# EAGLE board ControlModule-pan2 (EAGLE 7.2.0), part 5 of 9
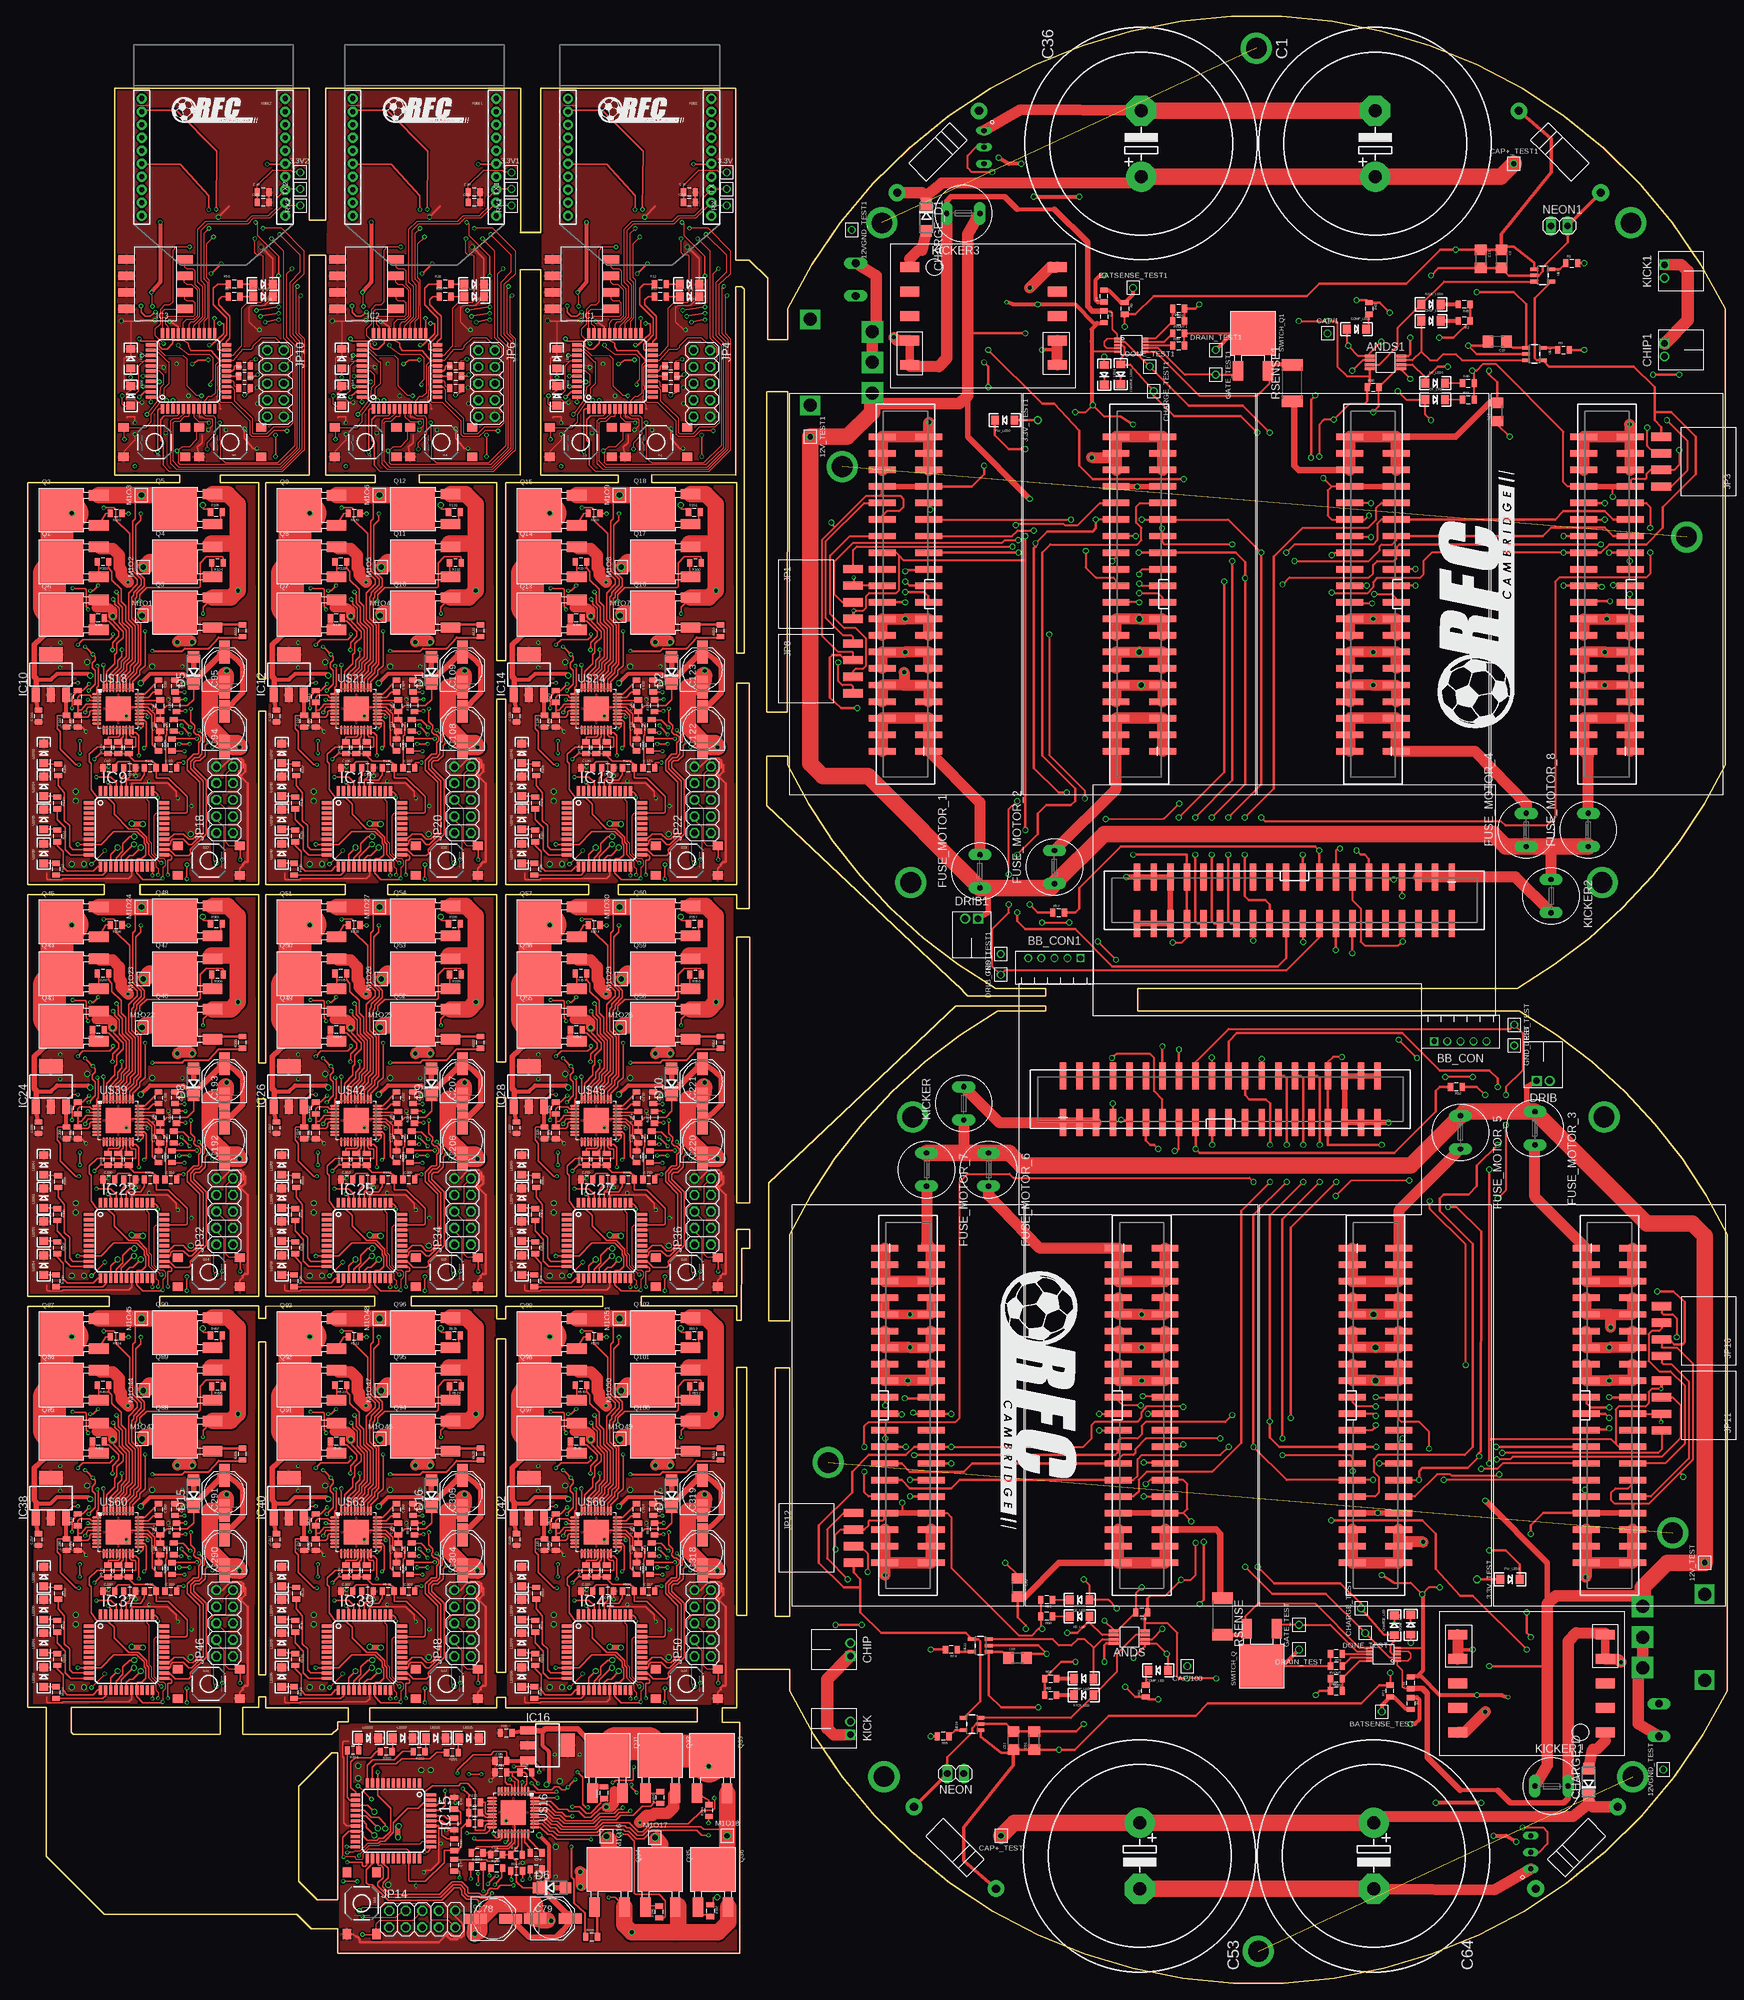
[diagram p0: board, top side]
## Tracks (layer width: path | path; a pad name or v marks a point on that pad's centre or on a via) (continued)
ENABLE14  (via drill 0.3) (continued)
  Top 0.254: IC37.26 21.63,49.2 22.43,50.01 23.86,50.01 24.65,49.22 25.28,49.2 26.4,50.33 26.4,57.95 24.5,59.85 24.5,61.28 25.45,62.23 26.08,62.23 26.24,62.39 26.24,64.02 26.57,64.34 26.57,64.88 26.17,65.27 25.86,65.27 25.47,65.67 25.47,66.01 25.58,66.12 25.58,66.71 25.56,66.71 25.03,67.24 v25.02,69.22 | v24.19,70.65 22.64,70.65 R512.2
  Bottom 0.254: v25.02,69.22 24.19,70.06 v24.19,70.65
ENABLE15  (via drill 0.3)
  Top 0.254: IC39.26 58.14,49.2 58.94,50.01 60.37,50.01 61.17,49.22 61.79,49.2 62.91,50.33 62.91,57.95 61.01,59.85 61.01,61.28 61.96,62.23 62.6,62.23 62.75,62.39 62.75,64.02 63.08,64.34 63.08,64.88 62.68,65.27 62.38,65.27 61.98,65.67 61.98,66.01 62.09,66.12 62.09,66.71 62.07,66.71 61.54,67.24 v61.54,69.22 | v60.71,70.65 59.16,70.65 R540.2
  Bottom 0.254: v61.54,69.22 60.71,70.06 v60.71,70.65
ENABLE16  (via drill 0.3)
  Top 0.254: IC41.26 94.97,49.2 95.77,50.01 97.2,50.01 98,49.22 98.62,49.2 99.74,50.33 99.74,57.95 97.84,59.85 97.84,61.28 98.79,62.23 99.43,62.23 99.58,62.39 99.58,64.02 99.91,64.34 99.91,64.88 99.51,65.27 99.21,65.27 98.81,65.67 98.81,66.01 98.92,66.12 98.92,66.71 98.9,66.71 98.37,67.24 v98.37,69.22 | v97.54,70.65 95.99,70.65 R568.2
  Bottom 0.254: v98.37,69.22 97.54,70.06 v97.54,70.65
GLED1  (via drill 0.41 pad 0.25)
  Top 0.254: v82.93,249.8 84.25,249.8 IC1.36
  Bottom 0.254: R10.2 82.61,247.42 82.93,247.74 v82.93,249.8
GLED2
  Top 0.254: IC1.21 95.85,250.59 94.68,250.59 94.52,250.75 94.52,251.55 95.15,252.18 95.95,252.97 95.95,255.51 95.15,256.31 93.88,257.58 93.88,260.12 94.52,260.75 R12.2
GLED3  (via drill 0.41 pad 0.25)
  Top 0.254: v49.91,249.8 51.23,249.8 IC2.36
  Bottom 0.254: R26.2 49.59,247.42 49.91,247.74 v49.91,249.8
GLED4
  Top 0.254: IC2.21 62.83,250.59 61.66,250.59 61.5,250.75 61.5,251.55 62.13,252.18 62.93,252.97 62.93,255.51 62.13,256.31 60.86,257.58 60.86,260.12 61.5,260.75 R28.2
GLED5  (via drill 0.41 pad 0.25)
  Top 0.254: v17.52,249.8 18.85,249.8 IC3.36
  Bottom 0.254: R54.2 17.21,247.42 17.52,247.74 v17.52,249.8
GLED6
  Top 0.254: IC3.21 30.44,250.59 29.27,250.59 29.11,250.75 29.11,251.55 29.75,252.18 30.54,252.97 30.54,255.51 29.75,256.31 28.48,257.58 28.48,260.12 29.11,260.75 R56.2
GLED17
  Top 0.254: R109.2 4.65,183.84 5.6,182.72 5.6,178.44 6.4,177.64 6.4,174.47 6.9,173.97 IC9.10
GLED18
  Top 0.254: R110.2 4.49,178.6 5.76,177.33 5.76,173.99 6.59,173.17 IC9.11
  Top 0.406: R110.2 4.49,180.34
GLED19
  Top 0.254: IC9.12 10.69,171.37 10.05,170.66 6.08,170.66 5.45,171.29 5.45,173.68 4.49,174.63 R111.2
GLED20
  Top 0.254: R112.2 11.53,170.08 11.95,170.5 11.95,170.55 IC9.13
GLED21
  Top 0.254: R137.2 41.16,183.84 42.12,182.72 42.12,178.44 42.91,177.64 42.91,174.47 43.41,173.97 IC11.10
GLED22
  Top 0.254: R138.2 41.01,178.6 42.28,177.33 42.28,173.99 43.1,173.17 IC11.11
  Top 0.406: R138.2 41.01,180.34
GLED23
  Top 0.254: IC11.12 47.2,171.37 46.56,170.66 42.59,170.66 41.96,171.29 41.96,173.68 41.01,174.63 R139.2
GLED24
  Top 0.254: R140.2 48.04,170.08 48.47,170.5 48.47,170.55 IC11.13
GLED25
  Top 0.254: R165.2 77.99,183.84 78.95,182.72 78.95,178.44 79.74,177.64 79.74,174.47 80.24,173.97 IC13.10
GLED26
  Top 0.254: R166.2 77.84,178.6 79.11,177.33 79.11,173.99 79.93,173.17 IC13.11
  Top 0.406: R166.2 77.84,180.34
GLED27
  Top 0.254: IC13.12 84.03,171.37 83.39,170.66 79.42,170.66 78.79,171.29 78.79,173.68 77.84,174.63 R167.2
GLED28
  Top 0.254: R168.2 84.87,170.08 85.3,170.5 85.3,170.55 IC13.13
GLED29
  Top 0.254: R201.2 62.75,35.4 61.64,34.45 57.35,34.45 56.56,33.66 53.38,33.66 52.88,33.16 IC15.10
GLED30
  Top 0.254: R202.2 57.51,35.56 56.24,34.29 52.9,34.29 52.08,33.47 IC15.11
  Top 0.406: R202.2 59.25,35.56
GLED31
  Top 0.254: IC15.12 50.28,29.37 49.57,30.01 49.57,33.98 50.21,34.61 52.59,34.61 53.54,35.56 R203.2
GLED32
  Top 0.254: R204.2 48.99,28.53 49.41,28.1 49.46,28.1 IC15.13
GLED45
  Top 0.254: R305.2 4.65,120.65 5.6,119.54 5.6,115.26 6.4,114.46 6.4,111.29 6.9,110.79 IC23.10
GLED46
  Top 0.254: R306.2 4.49,115.41 5.76,114.14 5.76,110.81 6.59,109.99 IC23.11
  Top 0.406: R306.2 4.49,117.16
GLED47
  Top 0.254: IC23.12 10.69,108.19 10.05,107.48 6.08,107.48 5.45,108.11 5.45,110.49 4.49,111.45 R307.2
GLED48
  Top 0.254: R308.2 11.53,106.89 11.95,107.32 11.95,107.37 IC23.13
GLED49
  Top 0.254: R333.2 41.16,120.65 42.12,119.54 42.12,115.26 42.91,114.46 42.91,111.29 43.41,110.79 IC25.10
GLED50
  Top 0.254: R334.2 41.01,115.41 42.28,114.14 42.28,110.81 43.1,109.99 IC25.11
  Top 0.406: R334.2 41.01,117.16
GLED51
  Top 0.254: IC25.12 47.2,108.19 46.56,107.48 42.59,107.48 41.96,108.11 41.96,110.49 41.01,111.45 R335.2
GLED52
  Top 0.254: R336.2 48.04,106.89 48.47,107.32 48.47,107.37 IC25.13
GLED53
  Top 0.254: R361.2 77.99,120.65 78.95,119.54 78.95,115.26 79.74,114.46 79.74,111.29 80.24,110.79 IC27.10
GLED54
  Top 0.254: R362.2 77.84,115.41 79.11,114.14 79.11,110.81 79.93,109.99 IC27.11
  Top 0.406: R362.2 77.84,117.16
GLED55
  Top 0.254: IC27.12 84.03,108.19 83.39,107.48 79.42,107.48 78.79,108.11 78.79,110.49 77.84,111.45 R363.2
GLED56
  Top 0.254: R364.2 84.87,106.89 85.3,107.32 85.3,107.37 IC27.13
GLED73
  Top 0.254: R501.2 4.65,57.47 5.6,56.36 5.6,52.07 6.4,51.28 6.4,48.1 6.9,47.6 IC37.10
GLED74
  Top 0.254: R502.2 4.49,52.23 5.76,50.96 5.76,47.63 6.59,46.8 IC37.11
  Top 0.406: R502.2 4.49,53.98
GLED75
  Top 0.254: IC37.12 10.69,45 10.05,44.29 6.08,44.29 5.45,44.93 5.45,47.31 4.49,48.26 R503.2
GLED76
  Top 0.254: R504.2 11.53,43.71 11.95,44.14 11.95,44.18 IC37.13
GLED77
  Top 0.254: R529.2 41.16,57.47 42.12,56.36 42.12,52.07 42.91,51.28 42.91,48.1 43.41,47.6 IC39.10
GLED78
  Top 0.254: R530.2 41.01,52.23 42.28,50.96 42.28,47.63 43.1,46.8 IC39.11
  Top 0.406: R530.2 41.01,53.98
GLED79
  Top 0.254: IC39.12 47.2,45 46.56,44.29 42.59,44.29 41.96,44.93 41.96,47.31 41.01,48.26 R531.2
GLED80
  Top 0.254: R532.2 48.04,43.71 48.47,44.14 48.47,44.18 IC39.13
GLED81
  Top 0.254: R557.2 77.99,57.47 78.95,56.36 78.95,52.07 79.74,51.28 79.74,48.1 80.24,47.6 IC41.10
GLED82
  Top 0.254: R558.2 77.84,52.23 79.11,50.96 79.11,47.63 79.93,46.8 IC41.11
  Top 0.406: R558.2 77.84,53.98
GLED83
  Top 0.254: IC41.12 84.03,45 83.39,44.29 79.42,44.29 78.79,44.93 78.79,47.31 77.84,48.26 R559.2
GLED84
  Top 0.254: R560.2 84.87,43.71 85.3,44.14 85.3,44.18 IC41.13
GND  (via drill 0.38, 0.41, 0.58, 0.6)
  Top 0: C4.2 177.51,255.15 177.51,257.01
  Top 0.178: 151.16,257.64 151.13,257.64
  Top 0.305: RBG1.1 C4.2 | 164.12,254.73 164.76,254.73 165.13,255.1 C3.2 165.13,254.78 | 163.22,251.93 163.23,250.66 | 163.23,250.66 163.24,250.41 CHARGE_U1.P$5 | v126.71,215.73 126.71,214.54 JP1.2 MOTOR5.22 | JP8.2 126.63,204.22 126.55,204.3 124.33,204.3 121.87,206.76 121.87,221.53 123.81,223.47 | 123.81,223.47 128.62,228.27 130.68,228.27 | 130.68,228.27 131,228.59 131,229.62 MOTOR5.34 | 130.68,228.27 133.85,228.27 134.33,227.8 134.33,226.53 133.7,225.89 131.79,225.89 131.16,225.26 131.16,224.7 MOTOR5.30 | v253.39,235.26 253.39,233.04 252.6,232.24 JP3.2 248.95,232.24 248.31,231.61 248.31,230.97 248.15,230.81 246.09,230.81 245.93,230.65 245.93,229.78 MOTOR8.33 | v175.69,159.69 177.03,159.69 177.83,160.49 COM_BOARD1.34 | v123.3,224.15 123.3,223.99 123.81,223.47 | v162.31,219.82 162.31,217.28 163.86,215.73 166.56,215.73 166.95,215.34 MOTOR6.22 | 163.22,250.65 163.23,250.66 | v160.68,241.13 162.35,241.13 v163.38,242.16 | v150.17,257.97 150.19,257.97 151.16,257.64 | 164.02,254.78 164.02,254.63 | 163.22,242.32 v163.38,242.16 | 167.67,240.39 165.16,240.39 v163.38,242.16 | MOTOR7.34 200.05,229.7 | 200.05,229.7 199.42,229.07 199.42,225.26 200.05,224.62 MOTOR7.30 205.13,224.62 v205.77,225.26 | 200.05,229.7 v198.78,230.97 | R41.2 R40.2 221.91,247.22 v221.64,247.48 222.28,247.48 223.31,248.51 225.22,248.51 235.61,238.12 235.61,230.34 236.25,229.7 MOTOR8.34 | v243.15,228.11 243.15,229.31 242.76,229.7 | MOTOR8.30 v241.96,224.62 | v205.45,214.46 MOTOR7.22 | MOTOR6.30 v163.86,224.62
  Top 0.406: RBG1.1 177.51,257.01 179.1,257.01 v179.73,257.64 | v203.86,258.28 205.4,258.28 R42.1 207.41,257.91 v208.94,256.37 | v212.12,252.56 212.12,250.02 211.82,249.73 ANDS1.P$4 | R45.1 R2.1 218.73,252.56 v216.56,252.56 | COM_BOARD1.34 COM_BOARD1.33 177.83,173.19 v169.57,173.19 | 167.67,240.39 v169.57,239.23 | R7.1 165.08,257.96 | v159.41,182.71 158.14,182.71 154.33,186.52 154.36,220.25 154.61,220.51 v154.61,220.99 156.39,222.77 163.37,222.77 163.86,223.27 v163.86,224.62 | v146.71,248.75 147.35,248.12 v147.35,244.94 | v127.28,195.7 124.84,195.7 123.06,197.32 123.06,203.44 123.41,203.79 124.68,203.79 125.38,203.03 JP8.2 | v241.49,214.3 241.33,214.46 MOTOR8.22 v235.61,214.46 | v146.71,232.88 146.71,231.61 144.81,229.7 MOTOR5.33
  Top 0.61: 164.12,254.73 164.02,254.63 163.22,253.83 163.22,251.93 163.22,242.32 | 165.08,257.96 164.18,257.96 163.86,258.28 163.86,261.45 164.49,262.09 v165.13,262.09 | 165.13,254.78 164.02,254.78 163.54,254.78 160.68,257.64 v154.97,257.64 151.16,257.64 | 151.13,257.64 v150.17,257.97
  Top 0.813: MOTOR5.34 MOTOR5.33 | MOTOR6.34 v170.21,229.7 MOTOR6.33 | MOTOR7.33 MOTOR7.34 | MOTOR8.34 242.76,229.7 MOTOR8.33
  Bottom 0.254: CAP_COMP1.2 201.32,246.85 209.58,255.1
  Bottom 0.305: v221.64,247.48 v216.56,252.56 | 149.89,242.4 159.41,242.4 v160.68,241.13 | v162.31,219.82 161.37,219.82 160.2,220.99 v154.61,220.99 | v126.71,215.73 126.12,216 U$12.5 119.77,216 118.77,217 118.77,223.03 122.19,223.03 v123.3,224.15 | U$13.5 253.5,235.15 v253.39,235.26 | C12.2 153.06,157.76 | 153.06,157.76 BB_CON1.5 154.78,156.04 156.87,156.04 157.51,156.68 BB_CON1.3 157.51,159.22 158.78,160.49 161.95,160.49 163.86,158.58 174.65,158.58 v175.69,159.69 | 153.06,157.76 149.44,157.76 GND_TEST1.P$1 | v163.38,242.16 165.1,242.16 R4.2 R3.2 | v198.78,230.97 195.61,234.15 195.61,235.42 196.24,236.05 200.69,236.05 201.32,236.69 CAP_COMP1.2 | v243.15,228.11 243.23,228.04 243.23,225.89 v241.96,224.62 241.96,222.08 243.87,220.18 243.87,218.91 241.33,216.37 241.33,214.46 v241.49,214.3 | v205.77,225.26 205.13,224.62 205.13,214.46 v205.45,214.46 | v150.17,257.97 150.17,259.51 U$29.2
  Bottom 0.406: v179.73,257.64 179.73,260.67 BATCLAMP1.A 179.73,260.82 | C35.2 202.33,258.28 v203.86,258.28 | v208.94,256.37 208.94,255.74 209.58,255.1 v212.12,252.56 v216.56,252.56 | v169.57,239.23 170.21,238.59 v170.21,229.7 170.21,225.26 169.57,224.62 v163.86,224.62 | v169.57,173.19 v159.41,182.71 | U$10.2 143.36,252.1 v146.71,248.75 | v147.35,244.94 149.89,242.4 150.52,241.77 R16.1 150.5,235.66 149.49,235.66 v146.71,232.88 | U$27.5 127.3,195.68 v127.28,195.7 | U$14.5 243.66,209.75 241.49,211.92 v241.49,214.3 | JP7.2 243.23,194.78 238.79,199.22 238.79,211.29 v235.61,214.46
  Bottom 0.61: BATCLAMP1.A 191.43,260.82 C2.2 193.44,259.81 | 193.44,259.81 196.24,257.01 CAP_SENSE_BUF1.2 197.51,257.01 198.15,257.64 198.15,258.28 198.78,258.91 200.95,258.91 C35.2 | 193.44,259.81 194.19,260.57 CLAMP4.A | v154.97,257.64 160.68,257.64 v165.13,262.09 166.4,263.36 177.19,263.36 179.73,260.82
GND1  (via drill 0.38, 0.38 pad 0.25, 0.41, 0.41 pad 0.25, 0.5)
  Top 0.152: 82.29,288.23 84.04,288.23
  Top 0.178: IC1.38 86.1,248.3 | IC1.18 94.68,248.22 94.52,248.05 94.52,245.14 94.61,245.04 94.61,244.64 94.51,244.54 94.51,243.6 94.36,243.45 94.36,242.81 94.83,242.34 94.83,241.7 | 81.18,244.56 80.53,243.93 80.53,242.98 80.54,242.96 81.98,242.96 82.29,242.66 | v79.73,255.1 81.18,255.04 81.18,249.4 80.15,249.4 80.15,246.14 LED1.C | S3.2 80.24,235.21 81.82,236.78 v81.82,237.7 | IC1.8 91.67,240.42 92.15,240.42 92.61,240.12 93.56,240.12 93.8,239.88 93.8,239.1 93.09,238.38 v93.09,238.37 | LED3.C 101.64,257.49 99.71,257.49 99.33,257.1 99.33,255.02 100.6,253.75 v100.93,253.75
  Top 0.254: C14.1 C15.1 | IC1.30 88.47,254.26 v87.13,255.04 | v84.91,255.2 82.77,255.2 82.61,255.04 v79.73,255.1 | v81.82,239.48 81.82,240.43 80.71,240.43 80.55,240.27 | 86.1,248.3 v86.26,247.98 | 80.53,246.12 81.18,245.51 LED1.C 81.18,244.56 | 94.83,241.7 94.99,241.54 | v100.55,235.51 99.99,235.51 98.64,237.1 v98.64,238.53 | S1.2 91.38,235.71 92.14,236.46 92.14,237.58 | v95.79,238.37 95.79,238.05 | v82.93,242.58 82.37,242.58 82.29,242.66 | LED2.C 103,264.65 v101.18,266.47 | v94.64,271.04 96.29,272.69
  Bottom 0.178: 87.69,248.37 v88.25,248.53 | 83.25,242.97 83.25,243.45 84.67,244.24 84.67,245.35 84.98,245.83 85.01,246.13 85.26,246.37 85.58,246.41 86.1,246.39 | C16.2 80.07,249.32 80.07,252.34 81.18,252.34 81.18,255.12 | v81.82,239.48 v81.82,237.7 82.36,237.16 U$4.2
  Bottom 0.254: 100.23,245.51 100.39,245.51 100.55,245.67 v100.55,244.88 | 100.55,244.16 v100.55,244.88 | v100.55,244.88 JP2.33 | v87.13,255.04 85.31,255.04 v84.91,255.2 | v79.73,255.1 81.18,255.04 C9.2 | C18.1 81.82,240.43 v81.82,239.48 | v86.26,247.98 86.26,247.42 | 86.26,247.42 R24.1 | 86.26,247.42 86.26,246.78 86.1,246.39 | v82.93,242.58 83.25,242.97 | v98.64,238.53 99.32,238.53 100.95,236.9 103.76,236.9 104.29,237.42 104.29,240.04 JP4.10 | C8.2 96.21,233.98 96.34,233.77 98.96,233.77 99.28,234.08 99.28,234.98 C17.2 99.99,234.72 v100.55,235.51 | v93.09,238.37 v95.79,238.37 | v101.18,266.47 95.15,266.47 94.96,266.66 94.96,270.72 v94.64,271.04
  Bottom 0.61: C9.2 81.18,252.5 81.02,252.34 80.07,252.34 80.07,251.28 C22.2 C16.2
  other vias: 90.07,243.61 86.56,237.9 100.62,242.4
  pour Bottom (isolate 0.254): 78.9,231.91 108.09,232.04 108.22,290.46 79.21,290.46
  pour Top (isolate 0.254): 108.07,232.04 78.86,231.95 79.19,290.46 108.2,290.46
GND2  (via drill 0.38, 0.38 pad 0.25, 0.41, 0.41 pad 0.25, 0.5)
  Top 0.152: 49.27,288.23 51.02,288.23
  Top 0.178: IC2.38 53.08,248.3 | IC2.18 61.66,248.22 61.5,248.05 61.5,245.14 61.59,245.04 61.59,244.64 61.49,244.54 61.49,243.6 61.34,243.45 61.34,242.81 61.81,242.34 61.81,241.7 | 48.16,244.56 47.51,243.93 47.51,242.98 47.52,242.96 48.96,242.96 49.27,242.66 | v46.71,255.1 48.16,255.04 48.16,249.4 47.13,249.4 47.13,246.14 LED4.C | S2.2 47.22,235.21 48.8,236.78 v48.8,237.7 | IC2.8 58.65,240.42 59.13,240.42 59.59,240.12 60.54,240.12 60.78,239.88 60.78,239.1 60.07,238.38 v60.07,238.37 | LED6.C 68.62,257.49 66.69,257.49 66.31,257.1 66.31,255.02 67.58,253.75 v67.91,253.75
  Top 0.254: C25.1 C26.1 | IC2.30 55.45,254.26 v54.11,255.04 | v51.89,255.2 49.75,255.2 49.59,255.04 v46.71,255.1 | v48.8,239.48 48.8,240.43 47.69,240.43 47.53,240.27 | 53.08,248.3 v53.24,247.98 | 47.51,246.12 48.16,245.51 LED4.C 48.16,244.56 | 61.81,241.7 61.97,241.54 | v67.53,235.51 66.97,235.51 65.62,237.1 v65.62,238.53 | S4.2 58.36,235.71 59.12,236.46 59.12,237.58 | v62.77,238.37 62.77,238.05 | v49.91,242.58 49.35,242.58 49.27,242.66 | LED5.C 69.98,264.65 v68.16,266.47 | v61.62,271.04 63.27,272.69
  Bottom 0.178: 54.67,248.37 v55.23,248.53 | 50.23,242.97 50.23,243.45 51.65,244.24 51.65,245.35 51.96,245.83 51.99,246.13 52.24,246.37 52.56,246.41 53.08,246.39 | C27.2 47.05,249.32 47.05,252.34 48.16,252.34 48.16,255.12 | v48.8,239.48 v48.8,237.7 49.34,237.16 U$6.2
  Bottom 0.254: 67.21,245.51 67.37,245.51 67.53,245.67 v67.53,244.88 | 67.53,244.16 v67.53,244.88 | v67.53,244.88 JP5.33 | v54.11,255.04 52.29,255.04 v51.89,255.2 | v46.71,255.1 48.16,255.04 C24.2 | C29.1 48.8,240.43 v48.8,239.48 | v53.24,247.98 53.24,247.42 | 53.24,247.42 R36.1 | 53.24,247.42 53.24,246.78 53.08,246.39 | v49.91,242.58 50.23,242.97 | v65.62,238.53 66.3,238.53 67.93,236.9 70.74,236.9 71.27,237.42 71.27,240.04 JP6.10 | C23.2 63.19,233.98 63.32,233.77 65.94,233.77 66.26,234.08 66.26,234.98 C28.2 66.97,234.72 v67.53,235.51 | v60.07,238.37 v62.77,238.37 | v68.16,266.47 62.13,266.47 61.94,266.66 61.94,270.72 v61.62,271.04
  Bottom 0.61: C24.2 48.16,252.5 48,252.34 47.05,252.34 47.05,251.28 C33.2 C27.2
  other vias: 57.05,243.61 53.54,237.9 67.6,242.4
  pour Bottom (isolate 0.254): 45.88,231.91 75.07,232.04 75.2,290.46 46.19,290.46
  pour Top (isolate 0.254): 75.05,232.04 45.84,231.95 46.17,290.46 75.18,290.46
GND3  (via drill 0.38, 0.38 pad 0.25, 0.41, 0.41 pad 0.25, 0.5)
  Top 0.152: 16.89,288.23 18.63,288.23
  Top 0.178: IC3.38 20.69,248.3 | IC3.18 29.28,248.22 29.11,248.05 29.11,245.14 29.21,245.04 29.21,244.64 29.11,244.54 29.11,243.6 28.95,243.45 28.95,242.81 29.43,242.34 29.43,241.7 | 15.78,244.56 15.13,243.93 15.13,242.98 15.13,242.96 16.58,242.96 16.89,242.66 | v14.32,255.1 15.78,255.04 15.78,249.4 14.74,249.4 14.74,246.14 LED8.C | S5.2 14.84,235.21 16.41,236.78 v16.42,237.7 | IC3.8 26.27,240.42 26.74,240.42 27.21,240.12 28.16,240.12 28.4,239.88 28.4,239.1 27.68,238.38 v27.68,238.37 | LED11.C 36.23,257.49 34.31,257.49 33.93,257.1 33.93,255.02 35.19,253.75 v35.52,253.75
  Top 0.254: C42.1 C43.1 | IC3.30 23.07,254.26 v21.73,255.04 | v19.51,255.2 17.36,255.2 17.21,255.04 v14.32,255.1 | v16.41,239.48 16.41,240.43 15.3,240.43 15.14,240.27 | 20.69,248.3 v20.85,247.98 | 15.13,246.12 15.78,245.51 LED8.C 15.78,244.56 | 29.43,241.7 29.59,241.54 | v35.14,235.51 34.59,235.51 33.24,237.1 v33.24,238.53 | S6.2 25.97,235.71 26.73,236.46 26.73,237.58 | v30.38,238.37 30.38,238.05 | v17.52,242.58 16.97,242.58 16.89,242.66 | LED10.C 37.6,264.65 v35.78,266.47 | v29.24,271.04 30.89,272.69
  Bottom 0.178: 22.29,248.37 v22.84,248.53 | 17.84,242.97 17.84,243.45 19.27,244.24 19.27,245.35 19.58,245.83 19.6,246.13 19.86,246.37 20.17,246.41 20.7,246.39 | C44.2 14.67,249.32 14.67,252.34 15.78,252.34 15.78,255.12 | v16.41,239.48 v16.42,237.7 16.95,237.16 U$31.2
  Bottom 0.254: 34.83,245.51 34.99,245.51 35.14,245.67 v35.14,244.88 | 35.14,244.16 v35.14,244.88 | v35.14,244.88 JP9.33 | v21.73,255.04 19.9,255.04 v19.51,255.2 | v14.32,255.1 15.78,255.04 C41.2 | C46.1 16.41,240.43 v16.41,239.48 | v20.85,247.98 20.86,247.42 | 20.86,247.42 R64.1 | 20.86,247.42 20.86,246.78 20.7,246.39 | v17.52,242.58 17.84,242.97 | v33.24,238.53 33.91,238.53 35.55,236.9 38.35,236.9 38.88,237.42 38.88,240.04 JP10.10 | C40.2 30.81,233.98 30.94,233.77 33.56,233.77 33.87,234.08 33.87,234.98 C45.2 34.59,234.72 v35.14,235.51 | v27.68,238.37 v30.38,238.37 | v35.78,266.47 29.75,266.47 29.56,266.66 29.56,270.72 v29.24,271.04
  Bottom 0.61: C41.2 15.78,252.5 15.62,252.34 14.67,252.34 14.67,251.28 C50.2 C44.2
  other vias: 24.67,243.61 21.15,237.9 35.21,242.4
  pour Bottom (isolate 0.254): 13.49,231.91 42.68,232.04 42.82,290.46 13.81,290.46
  pour Top (isolate 0.254): 42.66,232.04 13.46,231.95 13.79,290.46 42.8,290.46
GND4  (via drill 0.38, 0.41, 0.58, 0.6)
  Top 0: C56.2 199.8,46.71 199.8,44.85
  Top 0.178: 226.15,44.22 226.18,44.22
  Top 0.305: RBG.1 C56.2 | 213.19,47.13 212.55,47.13 212.18,46.76 C55.2 212.18,47.08 | 214.09,49.93 214.08,51.2 | 214.08,51.2 214.08,51.45 CHARGE_U.P$5 | v250.6,86.13 250.6,87.32 JP11.2 MOTOR1.22 | JP16.2 250.68,97.64 250.76,97.56 252.98,97.56 255.44,95.1 255.44,80.33 253.5,78.39 | 253.5,78.39 248.69,73.59 246.63,73.59 | 246.63,73.59 246.31,73.27 246.31,72.24 MOTOR1.34 | 246.63,73.59 243.46,73.59 242.98,74.06 242.98,75.33 243.61,75.97 245.52,75.97 246.15,76.6 246.15,77.16 MOTOR1.30 | v123.92,66.6 123.92,68.82 124.71,69.62 JP12.2 128.36,69.62 129,70.25 129,70.89 129.16,71.05 131.22,71.05 131.38,71.21 131.38,72.08 MOTOR4.33 | v201.63,142.17 200.28,142.17 199.48,141.37 COM_BOARD.34 | v254.01,77.71 254.01,77.87 253.5,78.39 | v215,82.04 215,84.58 213.45,86.13 210.75,86.13 210.36,86.53 MOTOR2.22 | 214.09,51.21 214.08,51.2 | v216.63,60.73 214.96,60.73 v213.93,59.7 | v227.14,43.89 227.12,43.89 226.15,44.22 | 213.29,47.08 213.29,47.23 | 214.09,59.54 v213.93,59.7 | 209.64,61.47 212.16,61.47 v213.93,59.7 | MOTOR3.34 177.26,72.16 | 177.26,72.16 177.89,72.79 177.89,76.6 177.26,77.24 MOTOR3.30 172.18,77.24 v171.54,76.6 | 177.26,72.16 v178.53,70.89 | R81.2 R80.2 155.4,54.64 v155.67,54.38 155.03,54.38 154,53.35 152.1,53.35 141.7,63.74 141.7,71.52 141.06,72.16 MOTOR4.34 | v134.16,73.75 134.16,72.56 134.55,72.16 | MOTOR4.30 v135.35,77.24 | v171.86,87.4 MOTOR3.22 | MOTOR2.30 v213.45,77.24
  Top 0.406: RBG.1 199.8,44.85 198.21,44.85 v197.58,44.22 | v173.45,43.58 171.91,43.58 R82.1 169.9,43.95 v168.37,45.49 | v165.19,49.3 165.19,51.84 165.49,52.13 ANDS.P$4 | R85.1 R66.1 158.58,49.3 v160.75,49.3 | COM_BOARD.34 COM_BOARD.33 199.48,128.67 v207.74,128.67 | 209.64,61.47 v207.74,62.63 | R72.1 212.23,43.9 | v217.9,119.15 219.17,119.15 222.98,115.34 222.95,81.61 222.7,81.35 v222.7,80.87 220.92,79.09 213.94,79.09 213.45,78.59 v213.45,77.24 | v230.6,53.11 229.96,53.74 v229.96,56.92 | v250.03,106.16 252.47,106.16 254.25,104.54 254.25,98.42 253.9,98.07 252.63,98.07 251.93,98.83 JP16.2 | v135.82,87.56 135.98,87.4 MOTOR4.22 v141.7,87.4 | v230.6,68.98 230.6,70.25 232.5,72.16 MOTOR1.33
  Top 0.61: 213.19,47.13 213.29,47.23 214.09,48.03 214.09,49.93 214.09,59.54 | 212.23,43.9 213.13,43.9 213.45,43.58 213.45,40.41 212.82,39.77 v212.18,39.77 | 212.18,47.08 213.29,47.08 213.77,47.08 216.63,44.22 v222.34,44.22 226.15,44.22 | 226.18,44.22 v227.14,43.89
  Top 0.813: MOTOR1.34 MOTOR1.33 | MOTOR2.34 v207.1,72.16 MOTOR2.33 | MOTOR3.33 MOTOR3.34 | MOTOR4.34 134.55,72.16 MOTOR4.33
  Bottom 0.254: CAP_COMP.2 175.99,55.01 167.73,46.76
  Bottom 0.305: v155.67,54.38 v160.75,49.3 | 227.42,59.46 217.9,59.46 v216.63,60.73 | v215,82.04 215.94,82.04 217.11,80.87 v222.7,80.87 | v250.6,86.13 251.19,85.86 U$48.5 257.54,85.86 258.54,84.86 258.54,78.83 255.12,78.83 v254.01,77.71 | U$49.5 123.81,66.71 v123.92,66.6 | C52.2 224.25,144.1 | 224.25,144.1 BB_CON.5 222.53,145.82 220.44,145.82 219.8,145.18 BB_CON.3 219.8,142.64 218.53,141.37 215.36,141.37 213.45,143.28 202.66,143.28 v201.63,142.17 | 224.25,144.1 227.87,144.1 GND_TEST.P$1 | v213.93,59.7 212.21,59.7 R68.2 R67.2 | v178.53,70.89 181.7,67.71 181.7,66.44 181.07,65.81 176.62,65.81 175.99,65.17 CAP_COMP.2 | v134.16,73.75 134.08,73.83 134.08,75.97 v135.35,77.24 135.35,79.78 133.44,81.68 133.44,82.95 135.98,85.49 135.98,87.4 v135.82,87.56 | v171.54,76.6 172.18,77.24 172.18,87.4 v171.86,87.4 | v227.14,43.89 227.14,42.35 U$53.2
  Bottom 0.406: v197.58,44.22 197.58,41.19 BATCLAMP2.A 197.58,41.04 | C63.2 174.98,43.58 v173.45,43.58 | v168.37,45.49 168.37,46.12 167.73,46.76 v165.19,49.3 v160.75,49.3 | v207.74,62.63 207.1,63.27 v207.1,72.16 207.1,76.6 207.74,77.24 v213.45,77.24 | v207.74,128.67 v217.9,119.15 | U$37.2 233.95,49.76 v230.6,53.11 | v229.96,56.92 227.42,59.46 226.79,60.09 R76.1 226.81,66.21 227.82,66.21 v230.6,68.98 | U$51.5 250.01,106.18 v250.03,106.16 | U$50.5 133.65,92.11 135.82,89.94 v135.82,87.56 | JP15.2 134.08,107.08 138.52,102.64 138.52,90.57 v141.7,87.4
  Bottom 0.61: BATCLAMP2.A 185.88,41.04 C54.2 183.87,42.05 | 183.87,42.05 181.07,44.85 CAP_SENSE_BUF.2 179.8,44.85 179.16,44.22 179.16,43.58 178.53,42.95 176.36,42.95 C63.2 | 183.87,42.05 183.12,41.29 CLAMP2.A | v222.34,44.22 216.63,44.22 v212.18,39.77 210.91,38.5 200.12,38.5 197.58,41.04
GND6  (via drill 0.3, 0.6)
  Top 0.254: v63.38,21.43 63.22,21.43 63.06,21.59 63.07,24.13 IC15.38 63.06,24.13 63.06,18.58 61.79,17.31 61.16,17.31 v60.76,17.03 | v64.18,23.5 65.39,23.5 C75.1 | IC15.18 48.94,24.13 48.46,24.61 48.46,34.61 48.3,34.77 48.3,36.99 48.46,37.15 49.25,37.15 | v59.57,14.97 59.56,14.64 | v73.38,24.93 73.38,25.09 U$16.P$3 74.74,25.95 U$16.26 74.74,21.65 73.85,20.76 73.78,20.62 72.01,20.62 71.06,19.74 C84.1 70.76,20.01 C73.1 | v71,31.12 71.69,31.81 R214.1 | v65.61,27.67 65.49,27.67 65.48,27.66 65.48,28.49 C76.1 | S11.4 49.95,7.54 50.4,7.09 | 66.73,8.8 66.73,8.89 66.68,8.95 66.68,8.99 66.65,9.01 66.65,9.19 65.6,10.24 JP14.10
  Top 0.406: 50.4,7.09 50.61,7.09 50.95,6.76 50.95,6.38 51.04,6.3 63.04,6.3 64.33,7.59 | 64.33,7.59 64.33,7.24 64.86,6.71 65.87,6.71 66.35,7.2 | 64.33,7.59 64.96,7.59 65.52,7.03 66.53,7.03 66.87,7.37 66.87,8.59 66.72,8.78 66.72,8.79 66.73,8.8
  Bottom 0.254: v63.38,21.43 63.38,22.7 v64.18,23.5 | U$15.3 88.21,34.68 89.73,36.2 89.73,37.31 90.05,37.63 | v60.76,17.03 60.6,17.19 59.57,16.51 v59.57,14.97 | 70.92,31.12 v71,31.12
  other vias: 50.68,33.34 50.68,31.44 60.37,32.71 61.79,32.71 81.64,30.96 55.29,15.08 81,20.96 75.94,18.48 78.3,16.2 84.65,35.09 80.84,35.09 81,16.35
  pour Top (isolate 0.254): 108.65,4.99 108.81,39.17 47.94,39.7 47.9,4.87
  pour Bottom (isolate 0.254): 108.81,39.17 48.26,39.26 47.9,4.87 108.65,4.87
GND8  (via drill 0.3, 0.6)
  Top 0.254: v18.62,184.47 18.62,184.31 18.46,184.15 15.93,184.16 IC9.38 15.92,184.15 21.48,184.15 22.75,182.88 22.75,182.25 v23.03,181.85 | v16.56,185.26 16.56,186.48 C91.1 | IC9.18 15.93,170.03 15.45,169.55 5.45,169.55 5.29,169.39 3.06,169.39 2.91,169.55 2.91,170.34 | v25.08,180.66 25.42,180.65 | v15.13,194.47 14.97,194.47 U$18.P$3 14.11,195.83 U$18.26 18.4,195.83 19.3,194.94 19.44,194.87 19.44,193.1 20.32,192.15 C100.1 20.05,191.85 C89.1 | v8.94,192.09 8.25,192.78 R122.1 | v12.38,186.7 12.38,186.58 12.4,186.57 11.56,186.57 C92.1 | S17.4 32.51,171.04 32.96,171.49 | 31.25,187.82 31.17,187.82 31.11,187.76 31.07,187.76 31.04,187.74 30.86,187.74 29.82,186.69 JP18.10
  Top 0.406: 32.96,171.49 32.96,171.7 33.3,172.04 33.67,172.04 33.76,172.13 33.76,184.13 32.47,185.42 | 32.47,185.42 32.82,185.42 33.34,185.95 33.34,186.96 32.86,187.44 | 32.47,185.42 32.47,186.05 33.02,186.61 33.02,187.62 32.69,187.95 31.47,187.95 31.27,187.81 31.26,187.81 31.25,187.82
  Bottom 0.254: v18.62,184.47 17.35,184.47 v16.56,185.26 | U$17.3 5.38,209.3 3.86,210.82 2.75,210.82 2.43,211.14 | v23.03,181.85 22.87,181.69 23.54,180.66 v25.08,180.66 | 8.94,192.01 v8.94,192.09